# Altium PCB wifi-module.PcbDoc (part 2 of 2)
Units mm, origin at the board's own origin, x right, y up, seen from the top; angles counter-clockwise.
Board outline 106 x 80 mm, 2 copper layers (Top Layer, Bottom Layer), stack 1.57 mm thick; 193 components, 99 nets, 493 pads, 460 vias.
Unrouted connection lines stored in the file: 1.
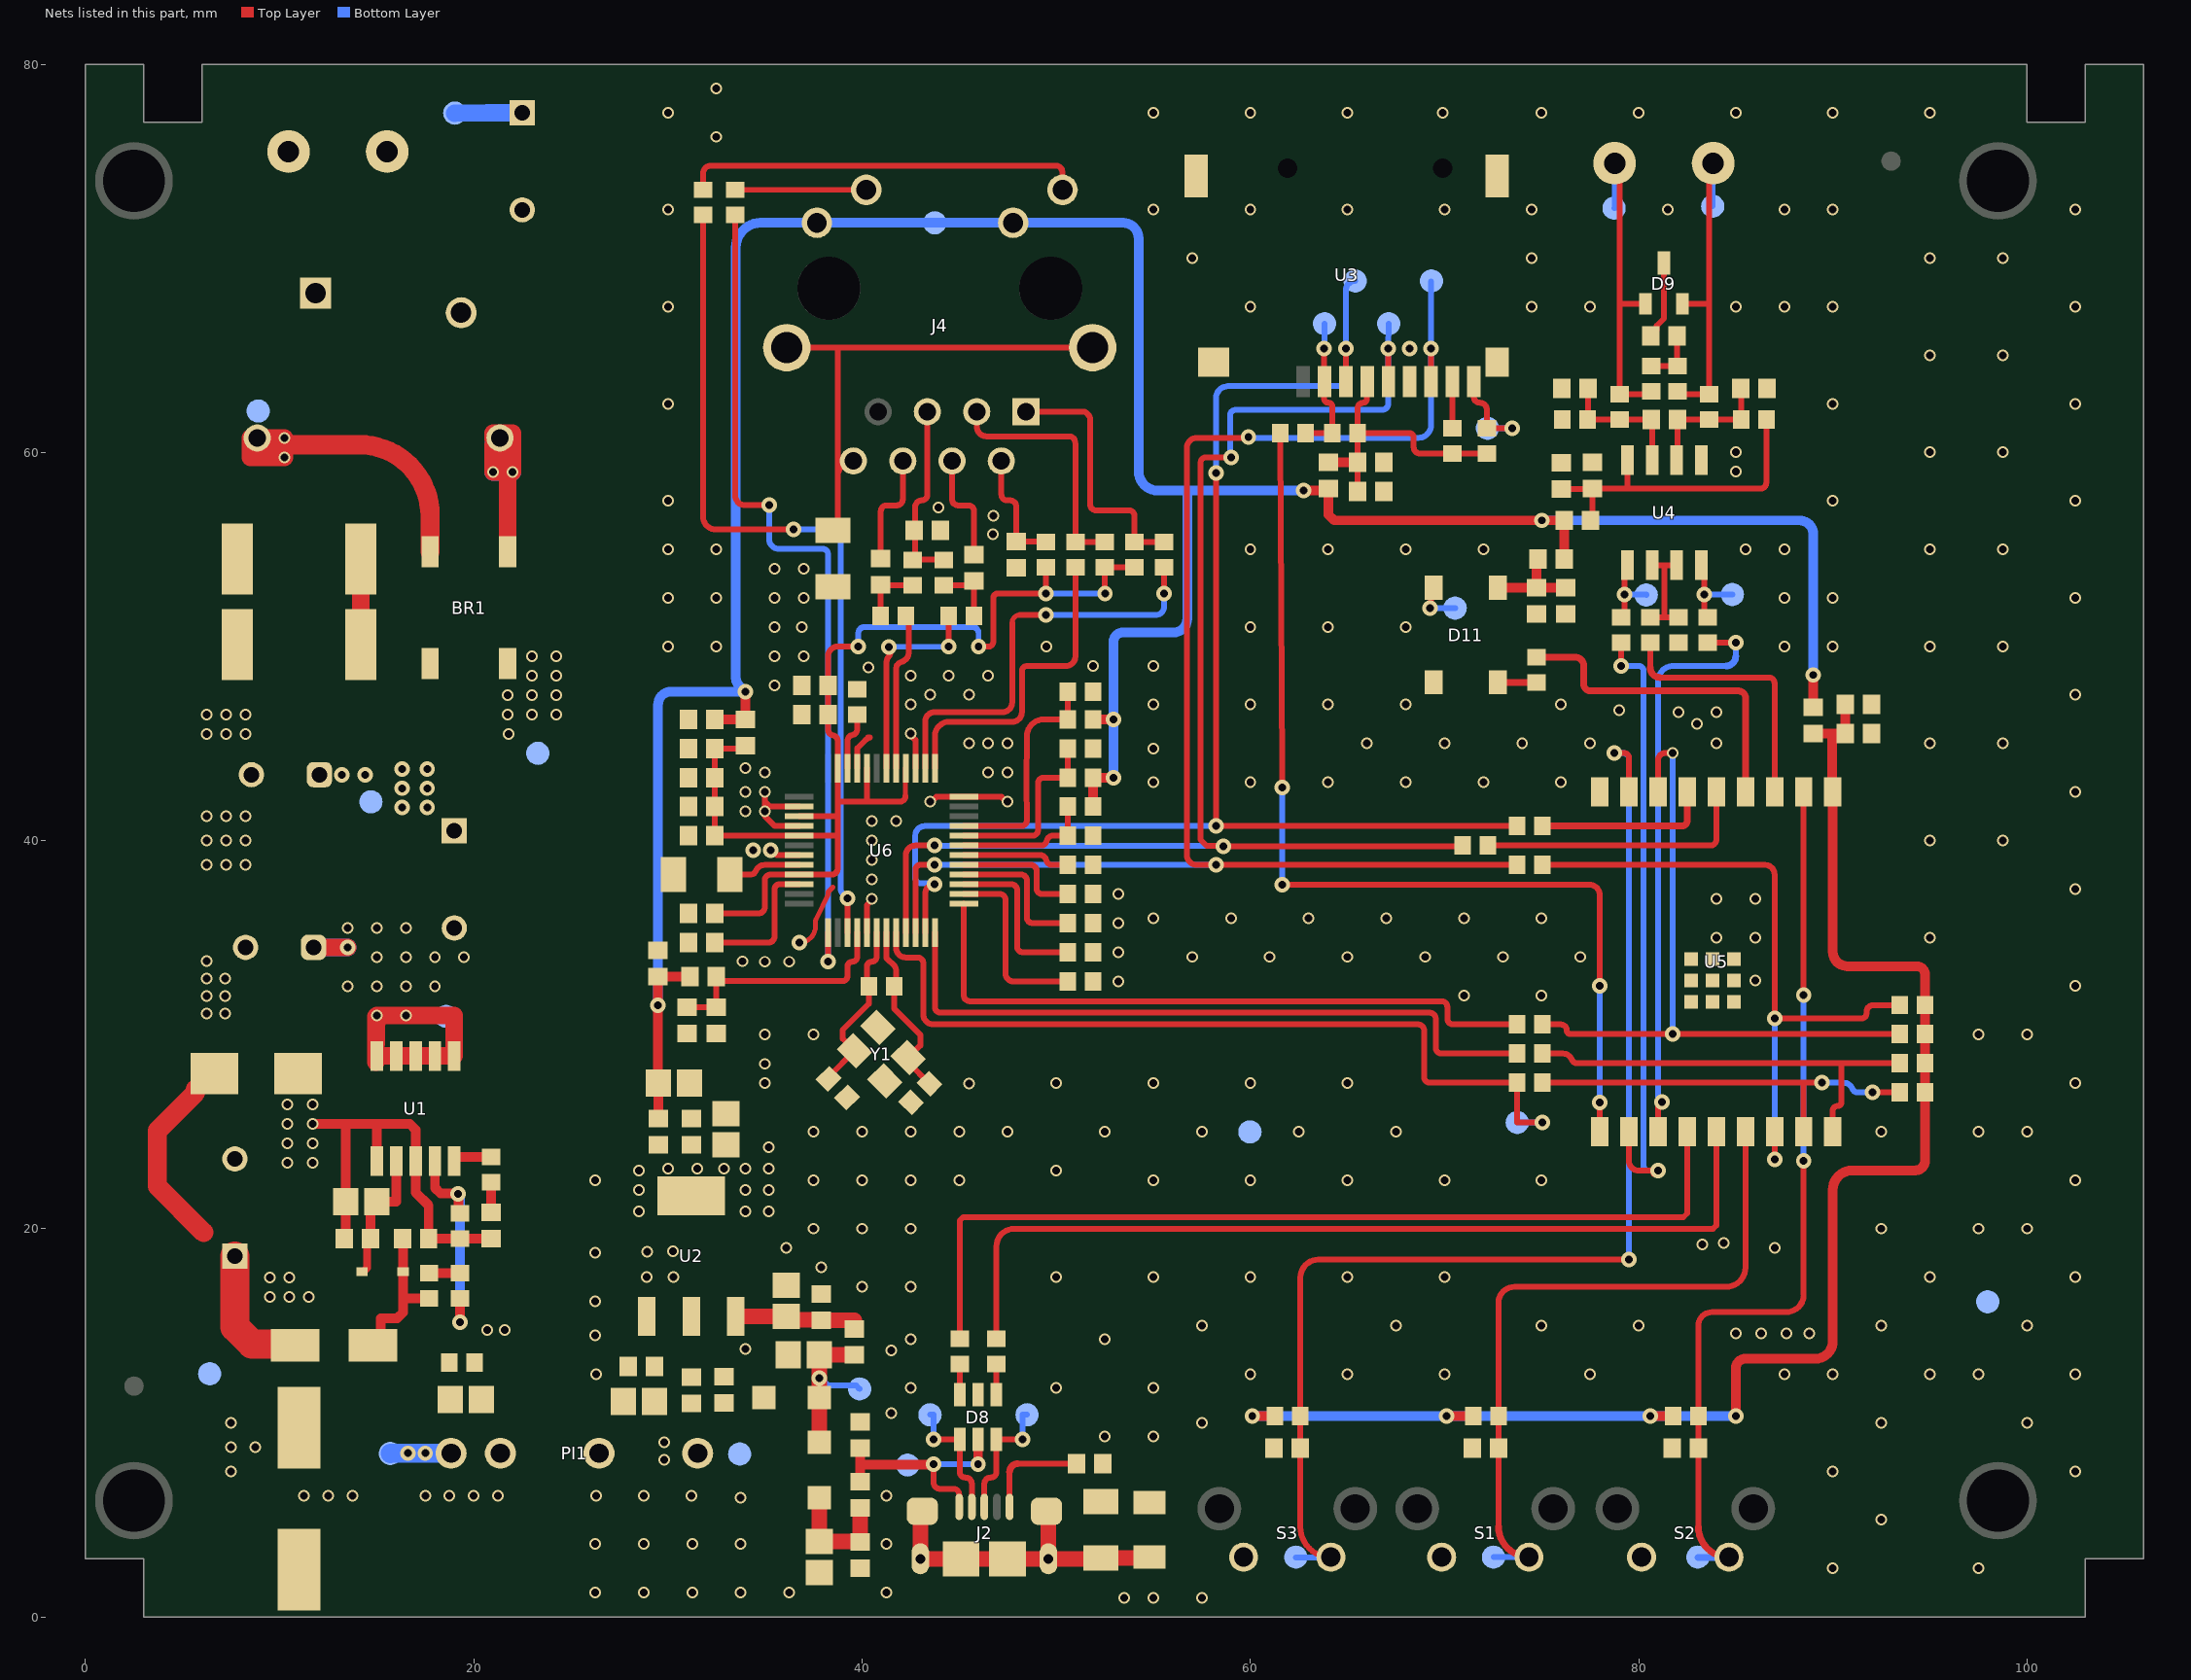
[diagram p2: the nets of this part, all layers, seen from the top]

## Via types
v1: diameter 0.6, hole 0.4, Top Layer to Bottom Layer, tented both sides, 356 vias
v2: diameter 0.8, hole 0.4, Top Layer to Bottom Layer, tented both sides, 80 vias
v3: diameter 0.6, hole 0.4, Top Layer to Bottom Layer, 24 vias

## Nets (pads, with @x,y where several pads share a name; then routed paths per layer and width w, separated by ;. In a path a pad name is that pad's centre, name@x,y a point inside that pad or via, vN(x,y) a via of type N, cw(c..) or ccw(c..) an arc to the next point about the centre after c; other vN are vias at no path point)
+3V3: C10.2 C31.2 C48.2 FB2.2 FB3.2 FB5.1 FB7.1 FB8.1 FB9.1 FB10.1 J4.10 J4.12 R23.2 R26.2 R27.2 TP2.1 | length 160.3
  Top Layer w0.5: C10.2@29.488,27.512 v2(29.488,31.51) C48.2@29.488,33 FB7.1@31.138,33 ; FB2.2@29.5,25.675 C10.2@29.5,27.5 ; C31.2@32.413,46.25 FB8.1@33.988,46.25 v2(33.988,47.681) ; R23.2@51.888,41.75 R26.2@51.888,43.25 v2(52.946,43.25) ; R27.2@51.888,46.25 v2(52.946,46.25) ; v2(62.746,58.03) FB5.1@63.905,58.03 ; FB5.1@64.025,58.15 cw(c63.905,58.15) FB5.1@63.905,58.03 ; FB9.1@76.175,54.5 FB3.2@76.175,56.5 64.318,56.5 64.025,56.793 64.025,57.911 ccw(c63.905,57.911) FB5.1@63.905,58.03 ; FB10.1@89,46.86 v2(89,48.536)
  Bottom Layer w0.5: v2(29.488,31.51) 29.488,46.998 cw(c30.171,46.998) 30.171,47.681 v2(33.988,47.681) 33.646,48.023 cw(c34,48.376) 33.5,48.376 33.5,70.557 cw(c34.773,70.557) 34.773,71.83 J4.12@37.675,71.83 TP2.1@43.746,71.83 J4.10@47.785,71.83 53.446,71.83 cw(c53.446,71.03) 54.246,71.03 54.246,59.03 ccw(c55.246,59.03) 55.246,58.03 56.706,58.03 ; v2(52.946,43.25) v2(52.946,46.25) 52.946,50.23 cw(c53.446,50.23) 53.446,50.73 56.046,50.73 ccw(c56.046,51.43) 56.746,51.43 56.746,57.991 ccw(c56.706,57.991) 56.706,58.03 ; v2(62.746,58.03) 56.706,58.03 ; v2(75.015,56.5) 88.276,56.5 cw(c88.276,55.776) 89,55.776 v2(89,48.536)
+3V3_ESP32: C38.2 C39.2 FB10.2 R20.1 R24.2 R28.2 R31.1 R32.1 R33.2 R45.2 U5.1 | length 79.7
  Top Layer w0.5: v2(60.1,10.35) R20.1@61.275,10.35 ; v2(70.1,10.35) R24.2@71.475,10.35 ; v2(80.6,10.35) R33.2@81.775,10.35 ; v2(85,10.35) 85,12.81 cw(c85.5,12.81) 85.5,13.31 89.1,13.31 ccw(c89.1,14.21) 90,14.21 90,22.01 cw(c91,22.01) 91,23.01 94.246,23.01 ccw(c94.246,23.51) 94.746,23.51 R45.2@94.746,27.03 R28.2@94.746,28.53 R32.1@94.746,30.03 R31.1@94.746,31.53 94.746,33.105 ccw(c94.321,33.105) 94.321,33.53 90.746,33.53 cw(c90.746,34.276) 90,34.276 U5.1@90,42.51 cw(c90,42.535) 89.975,42.535 89.975,45.51 ; FB10.2@89,45.51 89.975,45.51 ; C39.2@90.65,47.01 90.65,46.76 C38.2@90.65,45.51 89.975,45.51
  Bottom Layer w0.5: v2(60.1,10.35) v2(70.1,10.35) v2(80.6,10.35) v2(85,10.35)
+3V3_ETH_VDDA: C33.2 C34.2 C51.2 C52.2 C56.2 C57.2 C58.2 FB8.2 R51.2 R52.2 R53.2 U6.4 U6.8 U6.11 U6.15 U6.17 U6.21 | length 63.8
  Top Layer w0.25: 42.238,42.315 U6.4@42.238,43.738
  Top Layer w0.3: C56.2@32.413,36.25 34.666,36.25 ccw(c34.666,36.572) 34.988,36.572 34.988,37.95 cw(c35.288,37.95) 35.288,38.25 U6.21@36.762,38.25 38.423,38.25 ccw(c38.423,38.577) 38.75,38.577 38.75,40.25 ; FB8.2@33.988,44.9 33.988,44.75 C34.2@32.413,44.75 C33.2@32.413,43.25 C58.2@32.413,41.75 C57.2@32.413,40.25 U6.17@36.762,40.25 38.75,40.25 ; U6.15@36.762,41.25 38.75,41.25 ; v2(39.81,50.012) 38.739,50 cw(c38.736,50.3) 38.737,50 ccw(c38.738,49.512) 38.25,49.512 C51.2@38.25,47.988 C52.2@38.25,46.488 38.25,45.722 ccw(c38.55,45.722) 38.453,45.438 38.547,45.406 cw(c38.45,45.122) 38.75,45.122 U6.11@38.75,43.738 38.75,42 ; U6.8@40.25,43.738 40.25,42 ; 42.238,42.315 cw(c41.923,42.315) 41.923,42 40.25,42 ; v2(46,50) 46.5,50 ccw(c46.5,50.262) 46.762,50.262 46.762,52.512 cw(c46.98,52.512) 46.98,52.73 v2(49.461,52.73) R53.2@49.461,54.084 ; v2@52.512,52.75 52.509,52.753 R51.2@52.509,54.084 R52.2@54.033,54.084 ; 38.75,40.25 38.75,41.25 ; 38.75,41.25 38.75,42 ; 38.75,42 40.25,42
  Bottom Layer w0.3: v2(39.81,50.012) 39.81,50.7 cw(c40.11,50.7) 40.11,51 45.7,51 cw(c45.7,50.7) 46,50.7 v2(46,50) ; v2(49.461,52.73) v2(52.512,52.73)
+3V3_FB: C8.2 C9.2 FB2.1 U2.2
  other v1: 28.5,20.9 34,20.9 35.2,20.9 28.5,22 34,22 35.2,22 28.5,23 30,23.1 31.5,23.1 32.9,23.1 34,23.1 35.2,23.1
  other v3: 35.2,24.2
+3V3_RGB: C35.2 C36.2 D11.1 FB9.2 | length 5
  Top Layer w0.5: D11.1@72.746,53.03 C35.2@74.746,53.03 ; FB9.2@74.825,54.5 ccw(c74.825,54.421) 74.746,54.421 C35.2@74.746,53.03 ; C36.2@76.246,53.03 C35.2@74.746,53.03
+3V3_RS485: C20.2 C21.2 FB3.1 R21.1 U4.8 | length 17.2
  Top Layer w0.3: C20.2@76.025,58.125 C21.2@77.611,58.125 ; FB3.1@77.525,56.5 77.611,56.5 C21.2@77.611,58.125 ; U4.8@79.42,59.612 79.42,58.135 ; R21.1@86.575,61.7 86.575,58.435 cw(c86.275,58.435) 86.275,58.135 79.42,58.135 ; C21.2@77.611,58.125 C21.2@77.611,58.135 79.42,58.135
+3V3_SDCARD: C27.2 C28.2 FB5.2 R11.1 R18.1 R44.1 U3.4 | length 15.2
  Top Layer w0.3: C27.2@65.525,58 C28.2@65.525,59.5 R11.1@65.525,61 ; U3.4@66,64 66,62.75 cw(c65.812,62.75) 65.812,62.562 ccw(c65.812,62.275) 65.525,62.275 R11.1@65.525,61 ; R44.1@72.189,59.95 R18.1@70.4,59.95 68.724,59.95 cw(c68.724,60.262) 68.412,60.262 68.412,60.762 ccw(c68.174,60.762) 68.174,61 R11.1@65.525,61
  Top Layer w0.5: FB5.2@64.025,59.5 C28.2@65.525,59.5
+5V: C16.2 C17.2 C18.2 C41.2 D3.1 PI1.6 TP3.1
  other v1: 29.8,8.1 29.8,9
+5V_PR: C5.2 D3.2 D4.2 FB1.1 TP22.1 | length 8.6
  Top Layer w0.8: D4.2@37.8,9 D3.2@37.8,11.3 v2(37.8,12.316) C5.2@37.8,13.5 FB1.1@39.6,13.5
  Bottom Layer w0.3: v2(37.8,12.316) 37.881,12.316 38.275,11.922 39.701,11.922 TP22.1@39.873,11.75
+5V_USB: C24.2 D8.5 FB4.1 J2.1 TP27.1 | length 13.7
  Top Layer w0.3: v2(43.689,7.88) 43.689,6.91 ccw(c43.989,6.91) 43.989,6.61 44.7,6.61 cw(c44.7,6.31) 45,6.31 J2.1@45,5.675
  Top Layer w0.5: FB4.1@39.9,6.975 39.9,7.857 ; C24.2@39.9,8.7 39.9,7.857 ; v2(43.689,7.88) cw(c43.539,8.357) 43.541,7.857 39.9,7.857 ; v2(45.975,7.88) D8.5@45.975,9.15
  Bottom Layer w0.3: TP27.1@42.349,7.834 42.372,7.857 43.666,7.857 v2(43.689,7.88) v2(45.975,7.88)
+5V_USB_FILT: C25.2 C26.2 D4.1 FB4.2 | length 6.1
  Top Layer w0.8: D4.1@37.8,6.14 C26.2@37.8,3.9 C25.2@39.9,3.9 ; C25.2@39.9,3.875 C25.2@39.9,3.9 ; FB4.2@39.9,5.625 39.9,3.925 C25.2@39.9,3.9
AC_L: BR1.3 C42.1 R2.2 RT1.2 | length 16.6
  Top Layer w0.9: BR1.3@21.75,54.875 C42.1@21.75,60.4 ; v1(22,59) 22,60.4 ; 21,59.5 v1(21,59) 21.35,59 21.35,59.5 ; 21,59.5 21.35,59.5 ; 21,59.5 21,60.4 C42.1@21.35,60.4 ; 21.35,59.5 C42.1@21.35,60.4 ; C42.1@21.35,60.4 cw(c21.35,60.75) 21,60.75 21,61 22,61 22,60.4 ; C42.1@21.35,60.4 C42.1@21.75,60.4 ; C42.1@21.75,60.4 22,60.4
  Bottom Layer w0.9: C42.1@21.35,60.4 21,60.4 v1(21,59) v1(22,59)
DC_F: C3.1 L1.2 TP18.1 U1.6 U1.7 U1.8 U1.9 U1.10 | length 18
  Top Layer w0.9: C3.1@11.75,34.5 v2(13.5,34.5) ; U1.10@14.953,28.959 v3@14.953,30.953 ; U1.10@14.962,28.595 14.967,28.913 v3(15,31) v3(16.5,31) 19,31 U1.6@19,28.912 U1.7@18,28.912 U1.8@17,28.912 U1.9@16,28.912 U1.10@15,28.912
  Bottom Layer w0.9: C3.1@11.75,34.5 v2(13.5,34.5)
  other v1: 13.5,32.5 13.5,35.5
  other v3: 15,32.5 16.5,32.5 18,32.5 15,34 16.5,34 18,34 19.5,34 15,35.5 16.5,35.5
DC_L: BR1.1 C2.1 L1.1 R4.2 R5.2 TP17.1 | length 5.4
  Top Layer w0.9: R4.2@14.175,54.5 R5.2@14.175,50.1 14.175,49.102 R5.2@14.201,49.076
  other v2: 16.3,41.7 17.6,41.7 16.3,42.7 17.6,42.7 13.2,43.4 14.4,43.4 16.3,43.7 17.6,43.7
ESP32_BOOT: C4.2 R20.2 S3.2 TP19.1 U5.8 | length 63.9
  Top Layer w0.3: S3.2@64.15,3.075 cw(c64.15,4.65) 62.575,4.65 C4.2@62.575,8.7 62.575,17.485 cw(c63.5,17.485) 63.5,18.41 v2(79.5,18.41) ; v2(78.75,44.51) 79.25,44.51 cw(c79.25,44.26) 79.5,44.26 U5.8@79.5,42.51
  Bottom Layer w0.3: TP19.1@62.346,3.059 64.134,3.059 S3.2@64.15,3.075 ; v2(78.75,44.51) 79.2,44.51 cw(c79.2,44.21) 79.5,44.21 v2(79.5,18.41)
ESP32_CLK: R29.2 TP8.1 U3.5 U6.33 | length 71.6
  Top Layer w0.3: U6.33@42.25,35.262 42.25,39.25 cw(c42.75,39.25) 42.75,39.75 v2(43.738,39.75) ; v2(59,59.75) 57.731,59.75 ccw(c57.731,59.45) 57.431,59.45 57.431,40.05 57.75,39.731 58.569,39.731 v2(58.6,39.7) 70.879,39.7 R29.2@70.929,39.75 ; U3.5@67.1,64 v2(67.1,65.35)
  Bottom Layer w0.3: v2(43.738,39.75) 43.763,39.725 58.575,39.725 v2(58.6,39.7) ; v2(59,59.75) cw(c59.252,59.913) 58.952,59.913 58.952,61.901 cw(c59.252,61.9) 59.252,62.2 66.8,62.2 ccw(c66.8,62.5) 67.1,62.5 67.1,65.343 v2(67.1,65.35) TP8.1@67.124,66.634
ESP32_CLK_+3V3: R29.1 U5.5 | length 14.4
  Top Layer w0.3: R29.1@72.228,39.75 83.7,39.75 ccw(c83.7,40.05) 84,40.05 84,41.91 U5.5@84,42.51
ESP32_EN_+3V3: C40.2 R33.1 S2.2 TP20.1 U5.2 | length 46.7
  Top Layer w0.3: 83.075,4.65 C40.2@83.075,8.7 R33.1@83.075,10.325 ; R33.1@83.075,10.65 83.075,15.01 cw(c83.775,15.01) 83.775,15.71 87.6,15.71 ccw(c87.6,16.61) 88.5,16.61 v2(88.5,23.51) ; v2@88.5,32.01 U5.2@88.5,42.51
  Top Layer w0.35: R33.1@83.072,10.65 R33.1@83.075,10.35 ; 83.075,4.65 ccw(c84.65,4.65) 84.65,3.075 ccw(c84.625,3.075) S2.2@84.625,3.1
  Bottom Layer w0.3: v2(88.5,23.51) v2(88.5,32.05)
  Bottom Layer w0.35: TP20.1@83.046,3.075 S2.2@84.65,3.075
ESP32_ETH_CS: R36.2 TP11.1 U6.32 | length 43.6
  Top Layer w0.3: U6.32@41.75,35.262 41.75,34.483 ccw(c42.253,34.483) 42.253,33.98 42.853,33.98 cw(c42.853,33.68) 43.153,33.68 43.153,31.047 ccw(c43.669,31.047) 43.669,30.53 68.646,30.53 cw(c68.646,30.23) 68.946,30.23 68.946,27.83 ccw(c69.246,27.83) 69.246,27.53 R36.2@73.746,27.53 73.746,25.48 v2(75.046,25.48)
  Bottom Layer w0.3: TP11.1@73.746,25.48 v2(75.046,25.48)
ESP32_ETH_CS_+3V3: R36.1 R45.1 U5.17 | length 21.1
  Top Layer w0.3: R36.1@75.046,27.53 88.5,27.53 ; U5.17@88.5,25.01 88.5,27.53 ; v2(89.446,27.53) 88.5,27.53 ; v2(92.046,27.03) R45.1@93.446,27.03
  Bottom Layer w0.3: v2(89.446,27.53) 90.546,27.53 cw(c90.546,27.03) 91.01,27.217 ccw(c91.287,27.33) 91.287,27.03 v2(92.046,27.03)
ESP32_ETH_INT: R38.2 U6.36 | length 35.8
  Top Layer w0.3: U6.36@43.75,35.262 43.75,31.43 ccw(c44.05,31.43) 44.05,31.13 69.246,31.13 cw(c69.246,30.83) 69.546,30.83 69.546,29.33 ccw(c69.846,29.33) 69.846,29.03 R38.2@73.746,29.03
ESP32_ETH_INT_+3V3: R28.1 R38.1 U5.18 | length 22.4
  Top Layer w0.3: R38.1@75.046,29.03 76.096,29.03 cw(c76.096,28.53) 76.559,28.718 ccw(c76.837,28.83) 76.837,28.53 90.446,28.53 ; U5.18@90,25.01 90,26.084 cw(c90.246,26.084) 90.246,26.33 ccw(c90.246,26.53) 90.446,26.53 90.446,28.53 ; R28.1@93.446,28.53 90.446,28.53
ESP32_ETH_RST: R37.2 U6.37 | length 34.3
  Top Layer w0.3: U6.37@45.238,36.75 45.238,32.03 ccw(c45.538,32.03) 45.538,31.73 69.846,31.73 cw(c69.846,31.43) 70.146,31.43 70.146,30.83 ccw(c70.446,30.83) 70.446,30.53 R37.2@73.746,30.53
ESP32_ETH_RST_+3V3: R32.2 R37.1 U5.7 | length 35.8
  Top Layer w0.3: R37.1@75.046,30.53 75.996,30.53 cw(c75.996,30.23) 76.296,30.23 ccw(c76.496,30.23) 76.496,30.03 v2(81.75,30.03) R32.2@93.446,30.03 ; U5.7@81,42.51 81,43.11 81,44.15 cw(c81.36,44.15) 81.36,44.51 v1(81.75,44.51)
  Bottom Layer w0.3: v2(81.75,30.03) v1(81.75,44.51)
ESP32_MISO: R34.2 TP10.1 U3.7 U6.34 | length 79
  Top Layer w0.3: U6.34@42.75,35.262 42.75,38.5 cw(c43,38.5) 43,38.75 v2(43.738,38.75) ; v2(59.9,60.8) 59.85,60.75 57.231,60.75 ccw(c57.231,60.25) 56.731,60.25 56.731,39.249 ccw(c57.231,39.249) 57.231,38.749 v2(58.231,38.749) R34.2@73.746,38.75 ; U3.7@69.3,64 69.3,64.625 v2(69.3,65.35)
  Bottom Layer w0.3: v2(43.738,38.75) v2@58,38.75 ; v2(59.9,60.8) 59.95,60.75 68.655,60.75 ccw(c68.655,61.395) 69.3,61.395 v2(69.3,65.35) ; v2@69.3,65.358 TP10.1@69.3,68.81
  Bottom Layer w0.35: v2(69.3,65.35) ccw(c68.95,65.358) v2@69.3,65.358
ESP32_MISO_+3V3: R31.2 R34.1 U5.16 | length 35.2
  Top Layer w0.3: R34.1@75.046,38.75 86.5,38.75 cw(c86.5,38.249) 87,38.249 v2(87,30.83) 91.446,30.83 ccw(c91.446,31.13) 91.746,31.13 91.746,31.21 cw(c92.046,31.21) 92.046,31.51 93.426,31.51 ccw(c93.426,31.53) R31.2@93.446,31.53 ; v2(87,23.585) U5.16@87,25.01
  Bottom Layer w0.3: v2(87,23.585) v2(87,30.83)
ESP32_MOSI: R30.2 TP9.1 U3.3 U6.35 | length 73.5
  Top Layer w0.3: U6.35@43.25,35.262 43.25,37.262 cw(c43.738,37.262) v2(43.738,37.75) ; v2(58.231,58.95) v2(58.231,40.75) R30.2@73.746,40.75 ; U3.3@64.912,63.65 v2(64.912,65.343)
  Bottom Layer w0.3: v2(43.738,37.75) ccw(c43.583,37.493) 43.585,37.792 43.038,37.792 cw(c43.038,38.092) 42.738,38.092 42.738,40.25 cw(c43.238,40.25) 43.238,40.75 v2@58,40.75 ; v2(58.231,58.95) 58.231,62.8 cw(c58.845,62.8) 58.845,63.414 64.612,63.414 ccw(c64.612,63.714) 64.912,63.714 v2(64.912,65.343) 64.912,68.347 cw(c65.399,68.347) TP9.1@65.399,68.834
ESP32_MOSI_+3V3: R30.1 U5.6 | length 9.1
  Top Layer w0.35: R30.1@75.046,40.75 82.219,40.75 ccw(c82.219,41.03) 82.5,41.03 U5.6@82.5,42.51
ESP32_RGB_+3V3: R25.2 U5.4 | length 17.2
  Top Layer w0.35: R25.2@74.746,49.459 76.716,49.459 cw(c76.716,49) 77.175,49 77.175,48.06 ccw(c77.525,48.06) 77.525,47.71 85.15,47.71 cw(c85.15,47.36) 85.5,47.36 U5.4@85.5,42.51
ESP32_RS485_DIR: R14.2 R16.1 U4.2 U4.3 | length 5.4
  Top Layer w0.3: R14.2@80.59,51.5 81.325,51.5 ; U4.2@80.69,54.188 81.325,54.188 ; U4.3@81.96,54.188 81.325,54.188 ; R16.1@82.06,51.5 81.325,51.5 ; 81.325,51.5 81.325,52 81.325,54.188
ESP32_RS485_DIR_+3V3: R14.1 U5.3 | length 13.8
  Top Layer w0.3: 80.59,48.92 R14.1@80.59,50.2 ; 81.1,48.41 86.7,48.41 cw(c86.7,48.11) 87,48.11 U5.3@87,42.51
  Top Layer w0.35: 80.59,48.92 ccw(c81.1,48.92) 81.1,48.41
ESP32_RS485_RX: R13.2 TP14.1 U4.1 | length 3.9
  Top Layer w0.3: R13.2@79.09,51.5 79.27,51.75 v2(79.27,52.675) 79.27,53.601 U4.1@79.42,54.188
  Bottom Layer w0.3: v2(79.27,52.675) 80.389,52.675 TP14.1@80.389,52.659
ESP32_RS485_RX_+3V3: R13.1 U5.11 | length 32.5
  Top Layer w0.3: v2(79.09,49) R13.1@79.09,50.2 ; U5.11@79.5,25.01 79.5,23.5 ccw(c80,23.5) 80,23 v2(81,23) v2@80.766,22.825
  Bottom Layer w0.3: v2(79.09,49) 80,49 cw(c80,48.75) 80.25,48.75 80.25,23.25 ccw(c80.5,23.25) 80.5,23 v2(81,23)
ESP32_RS485_TX: R15.2 TP13.1 U4.4 | length 4.2
  Top Layer w0.3: U4.4@83.23,54.188 83.38,53.601 v2(83.38,52.675) 83.38,51.75 R15.2@83.56,51.5
  Bottom Layer w0.3: v2(83.38,52.675) TP13.1@84.824,52.684
ESP32_RS485_TX_+3V3: R15.1 U5.12 | length 30.3
  Top Layer w0.3: U5.12@81,25.01 81,26.334 cw(c81.196,26.334) v2(81.196,26.53) ; R15.1@83.56,50.2 v2(85,50.2)
  Bottom Layer w0.3: v2(81.196,26.53) 81.087,26.639 cw(c81.3,26.85) 81,26.85 81,48.223 cw(c81.781,48.22) 81.837,49 84.5,49 ; 85,49.5 v2(85,50.2)
  Bottom Layer w0.35: 84.5,49 ccw(c84.5,49.5) 85,49.5
ESP32_SDCARD_CS: R11.2 R35.2 TP12.1 U3.2 | length 7.3
  Top Layer w0.3: R35.2@62.85,61 R11.2@64.225,61 64.225,62.349 ccw(c64.012,62.349) 64.012,62.562 cw(c64.012,62.774) 63.8,62.774 63.8,64 v2(63.8,65.35)
  Bottom Layer w0.3: v2@63.824,65.374 TP12.1@63.824,66.634
  Bottom Layer w0.35: v2(63.8,65.35) ccw(c63.8,65.374) v2@63.824,65.374
ESP32_SDCARD_CS_+3V3: R35.1 U5.10 | length 52.1
  Top Layer w0.3: R35.1@61.55,61 61.552,60.675 61.636,43.632 61.641,42.79 ccw(c61.941,42.793) 61.644,42.75 v2@61.647,42.729 ; v2(61.646,37.73) 77.454,37.73 cw(c77.454,37.184) 78,37.184 v2(78,32.51) ; U5.10@78,25.01 v2(78,26.5) ; v2@61.647,42.729 v2@61.648,42.728
  Bottom Layer w0.3: v2(61.646,37.73) v2@61.646,42.756 ; v2(78,26.5) v2(78,32.51)
  other v2: 61.646,42.73
ESP32_USB_D_N: R39.1 U5.13 | length 47.9
  Top Layer w0.3: R39.1@45.025,14.341 45.025,20.424 45.201,20.6 82.3,20.6 82.5,20.8 U5.13@82.5,25.01
ESP32_USB_D_P: R40.1 U5.14 | length 47.3
  Top Layer w0.3: R40.1@46.92,14.341 46.92,19.095 cw(c47.825,19.095) 47.825,20 83.824,20 84,20.176 U5.14@84,25.01
ESP32_USER_BTN_+3V3: C37.2 R24.1 S1.2 TP29.1 U5.15 | length 36.6
  Top Layer w0.3: 72.775,4.675 C37.2@72.775,8.7 72.775,16.185 cw(c73.6,16.185) 73.6,17.01 84.5,17.01 ccw(c84.5,18.01) 85.5,18.01 U5.15@85.5,25.01
  Top Layer w0.35: 72.775,4.675 ccw(c74.35,4.675) S1.2@74.35,3.1
  Bottom Layer w0.3: TP29.1@72.524,3.085 S1.2@74.35,3.085
ETH_1V2O: C55.2 U6.22 | length 7.1
  Top Layer w0.3: C55.2@32.413,34.75 35.188,34.75 ccw(c35.188,35.05) 35.488,35.05 ; 35.5,35.012 35.5,37.512 cw(c35.738,37.512) 35.738,37.75 U6.22@36.762,37.75
ETH_EXRES: R63.2 U6.10 | length 3
  Top Layer w0.3: U6.10@39.25,43.738 39.25,45.144 cw(c39.55,45.144) 39.453,45.428 39.547,45.46 ccw(c39.45,45.744) 39.75,45.744 R63.2@39.75,46.488
ETH_LED_ACT: R61.2 U6.27 | length 43.7
  Top Layer w0.3: R61.2@31.815,72.23 31.815,56.68 ccw(c32.465,56.68) 32.465,56.03 v2(36.465,56.03) ; U6.27@39.25,35.262 v2(39.25,37.03)
  Bottom Layer w0.3: v2(36.465,56.03) 38.465,56.03 cw(c38.465,55.596) 38.899,55.596 38.899,37.506 ccw(c39.199,37.506) 38.986,37.294 v2(39.25,37.03)
ETH_LED_LINK: R62.2 U6.25 | length 44.2